# Altium PCB LimeSDR-Micro_1v0.PcbDoc (part 4 of 8)
Units mm, origin at the board's own origin, x right, y up, seen from the top; angles counter-clockwise.
Board outline 50.8 x 29.7 mm, 8 copper layers (Top, L2, L3, L4, L5, L6, L7, Bottom), stack 0.925 mm thick; 648 components, 374 nets, 2297 pads, 812 vias.
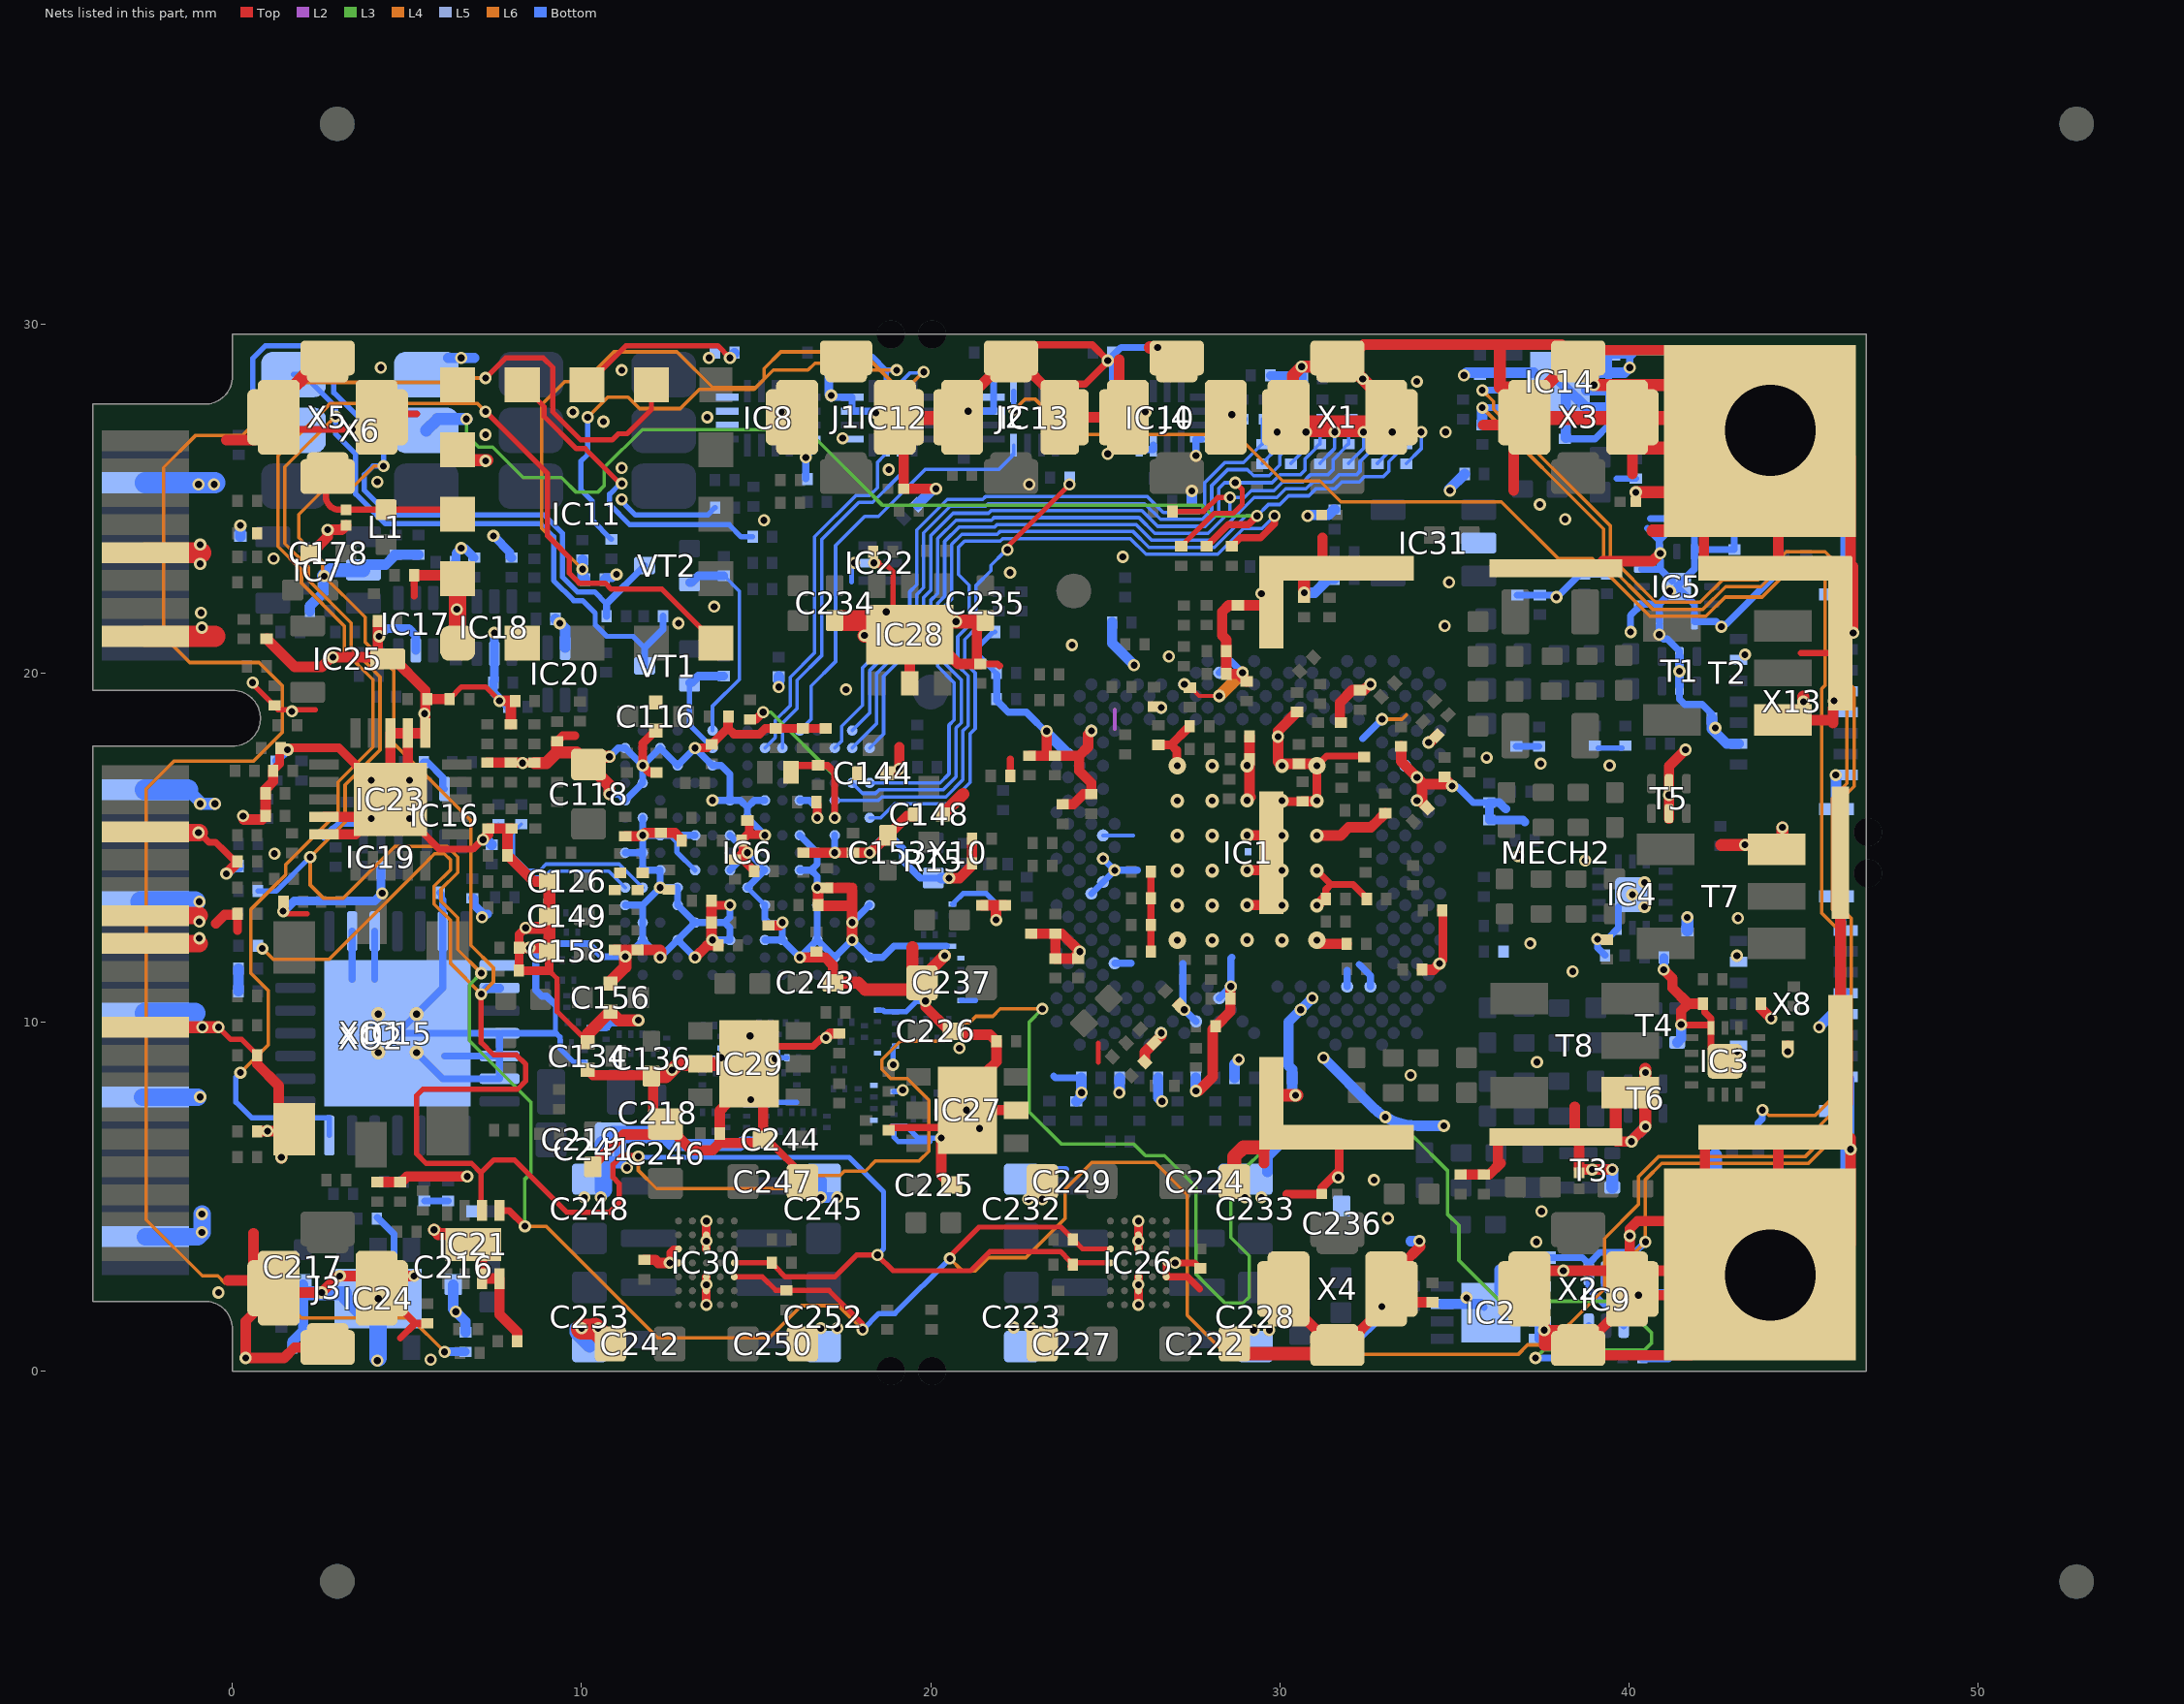
[diagram p10: the nets of this part, all layers, seen from the top]

## Via types
v1: diameter 0.35, hole 0.2, Top to Bottom, tented both sides, 670 vias
v2: diameter 0.35, hole 0.2, L5 to Bottom, tented both sides, 104 vias
v3: diameter 0.4, hole 0.2, Top to Bottom, tented both sides, 30 vias
v4: diameter 0.5, hole 0.2, Top to Bottom, tented both sides, 8 vias

## Nets (pads, with @x,y where several pads share a name; then routed paths per layer and width w, separated by ;. In a path a pad name is that pad's centre, name@x,y a point inside that pad or via, vN(x,y) a via of type N, cw(c..) or ccw(c..) an arc to the next point about the centre after c; other vN are vias at no path point) (continued)
GND: C1.1 C3.2 C4.1 C6.2 C7.1 C9.2 C11.1 C14.2 C16.1 C19.2 C21.1 C24.2 C26.1 C28.2 C29.1 C30.1 C31.2 C32.2 C33.1 C34.1 C35.2 C36.2 C37.2 C38.2 C42.2 C43.2 C45.2 C46.2 C47.2 C48.2 C49.2 C50.2 C51.2 C52.2 C53.2 C54.2 C55.2 C56.2 C57.1 C58.2 C59.2 C60.2 C61.2 C62.2 C63.2 C64.2 C65.2 C66.2 C67.2 C68.2 C69.2 C70.2 C71.1 C72.2 C73.2 C74.2 C75.2 C76.2 C77.2 C78.1 C79.2 C80.1 C81.1 C82.2 C83.2 C84.2 C85.2 C86.2 C87.2 C88.2 C89.2 C90.2 C91.2 C92.2 C93.2 C94.2 C95.2 C96.2 C97.2 C98.2 C99.2 C100.2 C101.2 C102.2 C103.2 C104.2 C105.2 C106.2 C107.2 C108.2 C109.2 C110.2 C111.2 C116.2 C118.1 C119.1 C120.1 C121.1 C122.1 C123.2 C126.1 C127.2 C128.2 C129.1 C130.1 C132.1 C133.2 C134.2 C135.1 C136.1 C137.1 C138.2 C139.1 C140.1 C141.1 C142.1 C143.1 C144.2 C145.1 C146.1 C147.1 C148.2 C149.1 C150.2 C151.2 C152.1 C153.1 C154.1 C155.1 C156.2 C157.1 C158.1 C159.1 C160.1 C161.1 C162.1 C163.1 C164.2 C165.1 C166.2 C167.2 C168.2 C169.2 C170.2 C171.2 C172.1 C173.2 C174.1 C175.2 C176.2 C177.1 C178.1 C179.2 C180.2 C181.2 C182.2 C183.1 C184.2 C185.1 C186.2 C187.2 C188.2 C189.1 C190.2 C191.1 C192.1 C194.2 C195.2 C196.2 C197.1 C198.1 C199.1 C200.1 C201.2 C204.1 C205.1 C206.2 C207.2 C208.1 C211.1 C212.1 C214.1 C215.2 C216.1 C217.1 C218.1 C219.1 C220.2 C221.1 C222.1 C223.1 C224.1 C225.1 C226.1 C227.1 C228.1 C229.1 C230.1 C231.2 C232.1 C233.1 C234.1 C235.1 C236.1 C237.1 C238.2 C239.2 C240.1 C241.1 C242.1 C243.1 C244.1 C245.1 C246.1 C247.1 C248.1 C249.1 C250.1 C251.2 C252.1 C253.1 C254.2 C255.2 ESD1.2 ESD2.2 ESD3.2 ESD4.2 ESD5.2 ESD6.2 IC1.AA31 IC1.AF32 IC1.AG29 IC1.AJ7 IC1.AJ9 IC1.AJ19 IC1.AK12 IC1.AK20 IC1.AL13 IC1.AL23 IC1.AM22 IC1.AN25 IC1.B18 IC1.B20 IC1.C7 IC1.C23 IC1.D20 IC1.E25 IC1.F6 IC1.G31 IC1.GND IC1.H2 IC1.J33 IC1.K4 IC1.L3 IC1.N3 IC1.T30 IC1.V30 IC1.W29 IC1.Y30 IC2.1 IC2.2 IC2.3 IC2.4 IC2.7 IC2.PAD IC3.7 IC3.EP IC4.7 IC4.EP IC5.1 IC5.3 IC5.4 IC5.6 IC5.10 IC5.12 IC5.EP IC6.B1 IC6.B3 IC6.B5 IC6.B11 IC6.B13 IC6.B15 IC6.C2 IC6.C4 IC6.C6 IC6.C7 IC6.C9 IC6.C10 IC6.C12 IC6.C14 IC6.D2 IC6.D5 IC6.D6 IC6.D10 IC6.D14 IC6.E1 IC6.E4 IC6.E7 IC6.E9 IC6.E12 IC6.E15 IC6.F3 IC6.F4 IC6.F8 IC6.F12 IC6.G2 IC6.G3 IC6.G5 IC6.G7 IC6.G9 IC6.G11 IC6.H1 IC6.H2 IC6.H8 IC6.H12 IC6.H13 IC6.H14 IC6.H15 IC6.J2 IC6.J3 IC6.J5 IC6.J7 IC6.J9 IC6.J11 IC6.J13 IC6.K2 IC6.K8 IC6.K12 IC6.L1 IC6.L6 IC6.L7 IC6.L9 IC6.L11 IC6.M2 IC6.N2 IC6.N4 IC6.N6 IC6.P1 IC6.P3 IC6.P5 IC7.2 IC8.6 IC8.7 IC8.8 IC8.16 IC9.2 IC10.3 IC10.4 IC10.7 IC10.8 IC10.16 IC11.1 IC11.2 IC11.4 IC11.5 IC11.16 IC12.5 IC12.7 IC12.8 IC13.7 IC13.8 IC14.1 IC14.2 IC14.3 IC14.4 IC14.7 IC14.PAD IC15.2 IC15.3 IC15.6 IC15.11 IC15.12 IC15.13 IC15.PAD IC16.2 IC17.2 IC18.2 IC19.2 IC20.2 IC21.3 IC21.4 IC21.PAD IC22.2 IC23.1 IC23.2 IC23.3 IC23.9 IC23.10 IC23.21 IC24.2 IC24.PAD IC25.3 IC26.A3 IC26.B3 IC26.C1 IC26.C3 IC26.D1 IC26.E3 IC26.F3 IC26.G3 IC27.2 IC27.PAD IC28.2 IC28.PAD IC29.2 IC29.PAD IC30.A3 IC30.B3 IC30.C1 IC30.C3 IC30.D1 IC30.E3 IC30.F3 IC30.G3 IC31.2 J1.2 J2.2 J3.2 J4.2 MECH2.1 R3.1 R15.1 R17.1 R25.1 R29.2 R32.1 R35.2 R38.2 R40.1 R45.2 R47.1 R52.2 R56.1 R62.2 R63.2 R64.2 R74.1 R81.2 R84.1 R98.2 R99.2 R100.2 R101.2 R102.2 R103.2 R104.2 R105.2 R106.2 R120.2 R121.2 R122.2 R123.2 R124.2 R125.2 R126.2 R127.2 R132.2 R135.1 R138.2 R143.1 R144.2 R146.1 R160.1 R164.2 R168.2 R169.2 R175.2 R179.1 R180.2 R181.2 R182.2 R192.2 R193.2 R196.2 R203.2 R208.2 R213.2 T1.2 T1.5 T2.3 T3.1 T4.1 T5.2 T5.5 T6.2 T6.5 T7.1 T8.3 X1.2 X2.2 X3.2 X4.2 X5.2 X6.6 X8.1 X8.4 X8.7 X8.9 X8.12 X8.15 X8.MP1 X8.MP2 X10.0 X10.4 X10.9 X10.15 X10.18 X10.21 X10.26 X10.27 X10.29 X10.34 X10.35 X10.40 X10.50 X13.1 X13.4 X13.7 X13.9 X13.12 X13.15 X13.MP1 X13.MP2 XO1.2 XO2.2 | length 639.5
  Top w0.11: C101.2@27.425,19.58 27.45,19.58 27.686,19.344 28.264,19.344 v1(28.267,19.341)
  Top w0.14: 24.8,8.841 24.8,9.4
  Top w0.15: v1(-0.4,9.85) -0.05,9.5 0.267,9.5 0.617,9.15 0.629,9.15 0.704,9.075 R143.1@0.704,9.05 ; v1(0.575,19.725) 0.575,19.683 1.308,18.95 2.375,18.95 ; v1(1.45,13.175) 1.525,13.1 2.135,13.1 ; C212.1@6.22,19.2 C212.1@6.22,19.212 ; C212.1@6.22,19.25 6.22,19.262 6.558,19.6 7.002,19.6 7.25,19.6 v1(7.65,19.2) ; 9.07,11.47 9.3,11.24 9.3,10.3 C134.2@10.175,9.425 ; v1@18.5,23.175 v1@18.525,23.15 ; v1@18.525,23.075 18.75,23.075 18.925,22.9 IC28.PAD@18.925,21.75
  Top w0.18: 44.925,20.575 MECH2.1@46.25,20.575
  Top w0.2: v1@-0.95,15.425 -0.675,15.15 -0.48,15.15 -0.205,14.875 0.107,14.562 R179.1@0.122,14.547 ; X5.2@0.975,26.975 1.325,26.975 v1(3.425,26.975) X5.2@4.15,26.975 ; J3.2@4.65,1.95 5.23,1.37 ; 4.806,0.946 5.23,1.37 ; X5.2@4.925,27.425 5.274,27.425 ; 5.205,22.2 C167.2@5.205,22.8 ; IC23.21@5.375,15.5 5.925,14.95 6.887,14.95 7.162,15.225 v1(7.175,15.225) ; C196.2@5.448,1.37 5.23,1.37 ; v1@12.509,3.1 v1(12.525,3.1) ; IC30.D1@12.775,3.1 v1(12.525,3.1) ; IC30.C1@12.775,3.5 12.625,3.5 12.525,3.4 v1(12.525,3.1) ; IC29.PAD@15.2,9.275 15.225,9.3 16.633,9.3 16.854,9.521 16.971,9.521 v1(17,9.55) ; C244.1@15.3,6.66 C247.1@16.468,5.493 ; R196.2@18.8,6.905 18.87,6.975 IC27.PAD@20.575,6.975 ; C240.1@21.42,20.26 21.915,20.26 21.974,20.201 ; R25.1@22.28,17.05 22.28,17.529 ; J2.2@22.9,29.4 24.63,29.4 v1@25.078,28.953 ; J2.2@24.025,28.275 24.425,28.275 v1@25.075,28.925 ; C62.2@26.307,12.015 C61.2@26.307,12.785 C64.2@26.307,13.54 C63.2@26.307,14.31 ; 27.702,2.356 27.358,2.7 IC26.C1@26.75,2.7 IC26.D1@26.75,3.1 v1(27,3.1) 27.565,3.1 C231.2@27.725,2.94 ; v3(31.065,14.34) 31.465,13.94 ; v4@31.122,17.397 31.345,17.62 32.397,17.62 C80.1@32.422,17.595 ; C78.1@31.32,13.525 31.32,13.795 31.465,13.94 ; C86.2@32.49,13.525 32.49,13.55 32.44,13.6 32.1,13.94 31.465,13.94 ; v1@41.5,9.914 IC3.7@42.35,9.914 ; C46.2@42.12,10.525 42.17,10.475 42.17,10.28 42.35,10.1 IC3.7@42.35,9.914 ; IC3.EP@42.35,9.225 IC3.7@42.35,9.827 IC3.7@42.35,9.914
  Top w0.25: 0.145,12.615 C204.1@0.145,13.075 ; C199.1@1.165,17.2 1.165,17.225 1.19,17.25 1.204,17.25 1.35,17.396 1.35,17.672 1.355,17.677 1.355,17.825 R169.2@1.38,17.85 3.05,17.85 v4(3.975,16.925) IC23.21@4.525,16.375 ; C206.2@7.975,17.42 v1(8.31,17.42) C208.1@8.645,17.42 ; C187.2@8.205,11.47 9.07,11.47 C158.1@9.07,12.025 ; C187.2@8.205,11.475 C186.2@8.205,12.125 ; C186.2@8.215,12.125 8.215,12.515 v1(8.4,12.7) ; C158.1@8.975,12.125 C158.1@9.075,12.025 ; 9.075,12.7 C149.1@9.075,13.025 ; C238.2@9.3,18.045 9.46,18.205 9.804,18.205 ; C156.2@10.825,11.1 C156.2@10.825,11.15 ; C116.2@12.125,18.35 11.75,17.975 v1(11.751,17.35) v1(11.751,17.35) 11.956,17.145 C122.1@12.15,17.145 ; v1(13.251,17.85) 13.595,17.85 13.7,17.955 C121.1@13.725,17.955 13.75,17.955 13.775,17.98 13.775,18.005 14.185,18.415 14.185,18.73 C120.1@14.205,18.75 ; v1(13.575,1.9) IC30.F3@13.575,2.3 IC30.E3@13.575,2.7 ; IC30.C3@13.575,3.5 v1(13.575,3.725) IC30.B3@13.575,3.9 v1(13.575,4.3) ; C143.1@13.72,13.345 13.745,13.37 13.75,13.37 13.77,13.35 v1(14.251,13.35) ; C120.1@14.23,18.8 14.205,18.775 C120.1@14.205,18.75 ; C139.1@14.58,15.2 14.749,15.369 14.8,15.369 ; C139.1@14.605,15.175 14.605,15.023 14.671,14.957 14.626,14.912 14.626,14.856 v1@14.62,14.85 ; C130.1@14.75,15.77 14.775,15.77 14.8,15.745 14.8,15.369 ; v1(14.751,14.85) 14.62,14.719 ; C142.1@14.945,14.325 14.62,14.65 14.62,14.719 ; v1@15.278,15.35 v1(15.251,15.35) 15.232,15.369 14.8,15.369 ; v1(16.751,15.85) C129.1@16.751,16.226 ; C145.1@16.988,18.41 C146.1@16.338,18.41 C147.1@15.563,18.41 15.26,18.41 15.1,18.25 14.365,18.25 14.205,18.41 C120.1@14.205,18.75 ; v1(25.95,1.9) IC26.B3@25.95,2.3 v1(25.95,2.475) IC26.C3@25.95,2.7 ; IC26.E3@25.95,3.5 v1(25.95,3.725) IC26.F3@25.95,3.9 v1(25.95,4.3) ; C54.2@26.524,17.941 26.886,17.941 ; v4(27.065,17.34) 27.045,17.36 27.045,17.781 26.886,17.941 ; C71.1@27.42,18.475 27.42,18.45 27.395,18.425 27.37,18.425 26.886,17.941 ; MECH2.1@30.065,16.32 R35.2@30.65,16.32 ; 30.2,5.075 ESD3.2@31.2,5.075 31.2,5.248 31.7,5.748 31.7,6.634 MECH2.1@31.634,6.7 ; v3(31.065,16.34) v4(31.065,17.34) ; v1(34.575,11.675) 34.675,11.775 34.675,13.155 C106.2@34.63,13.2 ; 14.62,14.719 v1@14.62,14.85 ; 14.62,14.719 14.531,14.63 14.425,14.63 C162.1@14.4,14.655 14.425,14.655 v1@14.62,14.85
  Top w0.3: -0.475,12.825 -0.225,13.075 C204.1@0.145,13.075 ; v1(-0.175,14.25) R179.1@0.122,14.547 ; -0.175,26.675 X5.2@0.625,26.675 ; -0.125,2.6 J3.2@0.975,2.6 ; v1@0.325,15.8 0.845,15.8 0.92,15.875 0.945,15.875 C200.1@0.945,15.9 C198.1@0.945,16.55 0.945,16.669 1.165,16.889 C199.1@1.165,17.2 ; J3.2@0.6,2.85 0.6,3.95 ; R146.1@0.705,6.875 v1(1,6.875) XO1.2@1.37,6.875 ; R143.1@0.704,9.05 0.704,8.796 1.325,8.175 XO1.2@1.325,7.35 ; C220.2@0.975,20.977 1,20.977 1,20.952 1.777,20.175 2.557,20.175 2.832,20.45 v1(2.875,20.45) IC25.3@4.16,20.45 ; v1@1.465,13.175 C215.2@1.465,13.45 ; C178.1@2.25,23.425 2.725,23.9 v1(2.725,24.1) 3.125,24.1 ESD5.2@3.25,24.225 ; IC23.10@2.625,15.375 3.525,15.375 v4(3.975,15.825) ; IC23.9@2.625,15.875 IC23.21@3.975,15.875 ; J3.2@2.725,0.675 1.775,0.675 1.475,0.375 v1(0.375,0.375) 0.375,1.425 J3.2@1.325,2.375 1.45,2.25 v1(2.55,2.25) 3.025,2.725 v1(3.075,2.725) J3.2@4.225,2.725 ; C195.2@4.15,5.415 4.78,5.415 R164.2@4.805,5.415 4.841,5.415 5.001,5.575 v1(6.725,5.575) ; IC25.3@4.16,20.41 IC25.3@4.16,20.45 ; C177.1@4.16,21.485 IC25.3@4.16,20.45 ; v1(4.175,2.075) 4.125,2.075 J3.2@4.425,2.375 ; IC23.21@4.525,16.925 IC23.3@4.525,18.275 IC23.2@5.025,18.275 ; J3.2@4.83,2.725 v1(5.2,2.725) ; IC23.21@5.025,16.925 IC23.2@5.025,18.275 ; C167.2@5.205,22.8 6.223,22.8 IC11.2@6.323,22.7 ; C211.1@5.58,19.2 C211.1@5.525,19.145 ; C211.1@5.58,19.25 C212.1@6.22,19.25 ; IC21.PAD@6.425,3.825 6.625,3.825 7.15,3.3 IC21.3@7.15,2.7 ; IC11.1@6.45,20.85 IC11.1@6.55,20.75 ; IC21.3@7.15,2.65 IC21.4@7.65,2.65 7.65,1.625 8.155,1.12 R160.1@8.155,0.85 ; v1(7.175,15.225) 7.325,15.375 C205.1@7.325,15.545 7.35,15.545 C201.2@8,15.545 7.88,15.425 R182.2@7.88,14.775 7.88,14.75 7.906,14.75 8.631,14.025 C126.1@9.075,14.025 ; R180.2@7.3,17.43 v1@8.31,17.43 ; v1(7.65,19.2) 7.975,19.2 C214.1@7.975,18.53 ; C186.2@8.205,12.125 C186.2@8.21,12.125 8.215,12.125 C158.1@8.975,12.125 ; C134.2@10.175,8.625 10.325,8.475 11.975,8.475 C136.1@12,8.45 12.05,8.4 12.05,7.375 12.35,7.075 C246.1@12.4,7.075 12.45,7.075 12.75,6.775 12.75,6.725 13.15,6.325 13.75,6.325 13.96,6.535 ; C241.1@10.325,5.85 10.325,5.9 11.2,6.775 C246.1@12.225,6.775 ; C159.1@10.95,12.07 C157.1@11.6,12.07 12.25,12.07 ; C119.1@11.25,15.32 11.721,15.32 v1(11.751,15.35) 11.821,15.42 C123.2@12.275,15.42 12.675,15.42 C141.1@12.87,15.225 ; C251.2@11.8,3.185 12.115,3.185 12.2,3.1 v1@12.509,3.1 ; v1(13.251,11.85) 13.601,12.2 C137.1@13.92,12.2 ; v1@13.72,12.294 R98.2@13.72,12.775 ; R98.2@13.72,12.85 C143.1@13.72,13.345 ; IC29.PAD@14.175,7.75 14.175,7.671 13.96,7.456 C249.1@13.96,6.805 13.96,6.535 ; 14.874,6.535 13.96,6.535 ; 14.875,6.535 15.1,6.535 C244.1@15.2,6.635 IC29.PAD@15.2,8.025 ; C151.2@15.35,12.77 15.671,12.77 v1(15.751,12.85) ; v1@16.251,11.825 v1(16.251,11.85) 16.975,11.85 17.2,11.625 C243.1@17.2,11.125 ; C155.1@16.35,14.85 v1(17.251,14.85) C140.1@17.775,14.85 v1(18.251,14.85) 18.275,14.85 18.625,15.2 18.675,15.2 18.775,15.3 C153.1@18.775,15.35 18.775,15.4 18.875,15.5 18.925,15.5 19.325,15.9 19.5,15.9 C148.2@19.55,15.95 ; C150.2@16.775,13.33 v1@16.775,13.845 ; C150.2@16.875,13.33 17.751,13.33 ; v1(17,9.55) 17.12,9.67 R208.2@17.375,9.67 ; C152.1@17.025,13.845 17.725,13.845 ; v1(17.751,12.35) 17.751,12.6 v1(17.751,12.85) 17.751,13.33 ; 17.751,13.845 17.751,13.33 ; C144.2@18.75,17.125 18.975,17.125 v1(19.1,17.25) 19.1,17.875 ; ESD6.2@19.225,25.275 v1(20.15,25.275) v1@20.175,25.275 ; ESD6.2@19.225,25.3 J1.2@19.225,26.825 ; IC28.2@19.4,19.7 19.4,21.075 IC28.PAD@19.4,21.1 ; v1(19.85,10.6) 19.85,10.436 C226.1@20.496,9.79 ; IC28.PAD@20.1,20.625 20.425,20.625 20.79,20.26 C240.1@21.42,20.26 21.325,20.355 21.325,21.235 C235.1@21.565,21.475 ; v1(20.3,6.675) 20.3,5.625 C225.1@20.6,5.325 ; v1@20.575,14.125 20.825,14.125 21.186,14.486 C95.2@21.186,14.541 C94.2@21.186,15.258 ; C226.1@20.646,9.636 21.699,9.636 21.865,9.47 21.89,9.47 C230.1@21.89,9.445 21.89,8.865 IC27.PAD@21.575,8.55 ; J2.2@21.3,28.1 J2.2@21.972,28.772 ; IC27.PAD@21.397,7.475 IC27.2@22.45,7.475 ; C97.2@21.475,13.34 C96.2@22.13,13.34 ; v1(21.875,12.925) 21.875,13.262 ; J2.2@22.678,28.797 J2.2@23.35,28.125 ; C59.2@22.83,17.629 C60.2@23.4,17.629 ; C91.2@22.875,12.531 C90.2@23.575,12.531 23.756,12.531 v1(24.271,12.015) 24.073,11.817 C98.2@23.575,11.817 C90.2@23.575,12.521 ; v1(23.325,18.337) 23.325,17.704 C60.2@23.4,17.629 ; C53.2@23.785,16.238 24.088,16.238 24.38,16.53 C52.2@24.6,16.53 24.6,16.85 24.254,17.196 24.254,17.629 ; J2.2@24,27.325 J4.2@25.35,27.325 J4.2@25.65,27.325 ; v1(24.604,18.342) 24.604,18.329 24.512,18.237 24.512,17.887 24.254,17.629 ; J4.2@25.4,28.025 25.4,28.975 ; C110.2@26.135,8.86 26.135,9.14 C108.2@26.398,9.402 26.602,9.606 v1(26.602,9.684) ; C72.2@27.123,10.495 v1(27.268,10.35) ; v1@27.675,8.025 28.075,8.425 28.075,9.789 C104.2@28.161,9.875 28.161,9.9 28.186,9.9 28.586,10.3 C58.2@28.586,10.675 v1@28.586,10.988 ; C103.2@29.05,19.755 28.83,19.975 C83.2@28.469,19.975 C84.2@28.469,20.625 28.469,20.956 28.35,21.075 28.35,21.75 28.535,21.935 C55.2@28.8,21.935 MECH2.1@29.759,21.935 ; v3(29.065,13.35) MECH2.1@29.49,13.35 ; v3(29.065,14.35) MECH2.1@29.49,14.35 ; v3(29.065,15.35) MECH2.1@29.49,15.35 ; v3(29.065,16.35) v3@29.16,16.446 ; v3@29.135,16.446 C70.2@29.135,17.528 C69.2@29.135,18.18 ; 29.55,5.952 29.55,6.35 ; X1.2@29.95,26.725 X1.2@30.55,26.725 ; v3(30.065,17.34) 29.95,17.455 v1(29.95,18.175) 29.95,18.336 C102.2@30.495,18.881 ; v3@30.065,17.395 C111.2@30.55,17.395 v4@31.065,17.395 ; X1.2@30.123,27.325 X1.2@30.377,27.325 ; X1.2@30.377,27.225 X1.2@33.177,27.225 ; R35.2@30.65,16.32 v3@31.065,16.32 ; X4.2@30.75,1.475 X4.2@31.245,0.98 ; v4(31.065,12.34) 31.165,12.24 C85.2@31.917,12.24 ; v3(31.065,13.34) 31.25,13.525 C78.1@31.32,13.525 ; v3(31.065,15.34) 31.74,15.34 31.975,15.575 32.612,15.575 32.677,15.64 32.681,15.64 C57.1@33.024,15.983 ; MECH2.1@31.225,23.062 31.225,23.875 ; C109.2@31.725,18.58 31.725,19.15 32.08,19.505 C67.2@32.3,19.505 32.414,19.505 32.583,19.674 v1(32.597,19.674) ; X1.2@31.875,28.875 32.405,29.405 38.07,29.405 X3.2@38.55,28.925 ; X4.2@32.105,0.955 X4.2@32.6,1.45 ; X4.2@32.925,1.97 C28.2@34.375,1.97 ; C65.2@33.475,17.895 33.475,17.464 v1(33.929,17.01) 34.075,16.864 34.075,16.283 C66.2@34.22,16.138 ; X4.2@33.525,3.075 v1@34.02,3.57 ; C77.2@34.08,11.5 34.4,11.5 v1(34.575,11.675) ; 34.2,16.814 34.725,16.814 ; v1@34.298,18.002 C100.2@34.498,18.202 ; C79.2@34.725,16.97 v1(34.937,16.758) ; C38.2@35.302,5.63 C37.2@35.85,5.63 ; 35.825,27.1 X3.2@36.925,27.1 ; C37.2@36,5.63 36.325,5.955 ; 36.25,5.955 MECH2.1@36.25,6.575 ; 36.3,28.2 X3.2@36.845,28.2 ; 36.7,25.225 36.7,26.875 X3.2@36.925,27.1 ; X3.2@37.15,27.325 37.125,27.3 X3.2@36.925,27.1 ; X2.2@37.25,2.875 v1(38.125,2.875) X2.2@40.025,2.875 ; X3.2@37.325,27.1 X3.2@36.925,27.1 ; 37.575,0.727 X2.2@38.275,0.727 ; 37.575,0.777 v1(37.575,1.175) ; X2.2@37.575,1.776 v1(37.575,1.175) ; 37.65,0.777 v1@37.65,1.175 ; X2.2@38.176,1.175 v1@37.65,1.175 ; MECH2.1@38.45,6.825 38.45,7.575 ; MECH2.1@38.575,6.525 38.575,5.775 v1(38.95,5.775) v1(39.525,5.775) ; X2.2@38.725,0.45 X10.0@41.779,0.45 ; X3.2@38.775,29.25 X10.0@44.44,29.25 ; v1(39,28.25) X3.2@39,28.95 ; X2.2@39.075,1.075 X2.2@39.57,1.57 ; MECH2.1@39.25,23.2 40.675,23.2 v1(40.9,23.425) ; X3.2@39.55,26.4 X3.2@40.1,26.4 ; MECH2.1@39.65,6.575 v1@40.05,6.575 ; v1(40.075,6.575) v1@40.05,6.575 ; 40.1,25.7 X3.2@40.1,26.4 ; X3.2@40.1,27.2 X3.2@40.1,26.4 ; X3.2@40.25,27.325 X10.0@45.915,27.325 ; v1(40.475,7) v1@40.05,6.575 ; v1(41,11.5) 41.25,11.25 41.25,10.975 41.7,10.525 ; T5.5@41.15,15.825 T5.5@41.15,15.975 v1(41.15,16.5) T5.2@41.15,16.825 41.15,17.325 v1(41.625,17.8) ; X10.0@41.179,2.875 X2.2@40.025,2.875 ; v1(41.5,9.925) 41.5,10.325 41.7,10.525 ; X10.0@41.65,4.3 40.25,4.3 40.025,4.075 v1(40.025,3.875) X2.2@40.025,2.875 ; C46.2@42.12,10.525 41.7,10.525 ; MECH2.1@42.15,23.275 42.15,24.075 X10.0@42.15,26.329 ; X10.0@42.175,3.421 MECH2.1@42.175,6.475 ; X10.0@43.329,2.175 v1(40.275,2.175) 40.025,2.425 X2.2@40.025,2.875 ; C47.2@43.78,10.525 43.78,10.395 v1(44.075,10.1) ; X10.0@44.284,3.646 MECH2.1@44.284,6.7 ; MECH2.1@44.284,23 X10.0@44.284,26.054 ; v1(44.55,9.15) C50.2@44.55,9.32 ; X10.0@45.215,26.4 X3.2@40.1,26.4 ; 45.275,18.65 45.7,18.65 ; 45.85,18.563 MECH2.1@45.85,18.987 ; MECH2.1@46.059,8.475 MECH2.1@46.059,8.575 MECH2.1@46.059,14.85 ; X10.0@46.35,3.621 v1(46.35,6.35) MECH2.1@46.35,6.675 ; X10.0@46.35,26.179 46.35,23.125 46.425,23.05 v1(46.425,21.15) ; IC25.3@4.16,20.45 4.575,20.45 5.525,19.5 C211.1@5.525,19.145 ; IC23.2@5.025,18.275 IC23.1@5.525,18.275 C211.1@5.525,19.145 ; C60.2@23.4,17.629 C60.2@23.564,17.629 24.254,17.629 ; v1(37.575,1.175) v1@37.65,1.175
  Top w0.35: X10.35@-3.485,9.85 X10.35@-2.5,9.85 v1(-0.865,9.85) v1(-0.4,9.85) ; v1(1.4,6.125) XO1.2@1.4,6.495 ; v1(5.775,4.05) 5.9,3.925 6.325,3.925 IC21.PAD@6.425,3.825 ; IC11.4@6.7,26.1 v1@7.3,26.1 ; v1(8.4,12.7) 9.075,12.7 C158.1@9.075,12.025 ; C208.1@8.645,17.42 8.995,17.42 9.3,17.725 ; C149.1@9.075,13.025 C126.1@9.075,14.025 ; C238.2@9.3,18.02 9.3,17.725 ; C134.2@10.175,9.425 10.175,9.65 C156.2@10.825,10.3 11.075,10.05 v1(11.625,10.05) ; v1(10.8,16.525) 10.8,16.775 C118.1@10.2,17.375 ; v1(10.8,17.6) 10.425,17.6 C118.1@10.2,17.375 ; C156.2@10.825,11.15 11.251,11.576 v1(11.251,11.875) ; v1(12.251,11.85) v1@12.251,12.02 ; C243.1@17.2,11.125 17.925,11.125 18.122,10.928 19.553,10.928 C237.1@19.75,11.125 ; 19.475,12.135 19.475,10.975 v1(20.4,11.9) ; C148.2@20.35,15.95 20.93,16.53 ; J4.2@26.276,29.325 v1(26.5,29.325) ; MECH2.1@29.886,7.802 29.984,7.9 v1(30.45,7.9) v1@30.5,7.9 ; X1.2@30.123,26.925 31.575,26.925 X1.2@33.177,26.925 ; X1.2@30.377,27.325 30.377,28.527 v1(30.625,28.775) X1.2@30.974,28.775 ; C68.2@30.7,22.18 v1(30.7,22.3) MECH2.1@30.7,23.075 ; X1.2@32.128,28.672 v1(32.375,28.425) X1.2@32.622,28.178 ; 36.3,28.175 36.3,28.2 36.3,29.375 ; X3.2@37.625,28.225 X3.2@38.15,28.75 ; v1(39,28.25) X10.0@44.665,28.25 ; MECH2.1@39.625,6.9 T8.3@39.625,7.675 ; v1(40.2,25.175) X10.0@41.7,25.175 ; X3.2@40.425,26.45 X10.0@41.925,26.45 ; v1@40.475,7.05 v1(40.475,8.55) v1@40.475,8.65 ; 40.675,24.075 42.15,24.075 X10.0@42.175,24.075 ; 42.653,15.075 v1(43.325,15.075) 44.098,15.075 T7.1@44.228,14.945 44.4,15.117 v1(44.4,15.575) ; T2.3@45,19.042 v1(45,19.175) v1@45,19.325 ; 9.3,17.725 9.85,17.725 C118.1@10.2,17.375
  Top w0.4: X5.2@1.627,28.077 X5.2@2.175,28.625 ; C136.1@12,8.45 12.414,8.45 v1(12.588,8.625) 12.764,8.8 IC29.2@13.4,8.8 IC29.PAD@14.375,8.8 ; v1(18.1,21.075) 19.4,21.075 IC28.PAD@19.5,21.075 ; J1.2@19.102,27.3 J2.2@20.923,27.3 ; IC28.PAD@20.475,21.475 v1(20.725,21.475) C235.1@21.565,21.475 ; C224.1@28.7,5.425 28.7,6.15 28.959,6.409 MECH2.1@29.534,6.409 ; 29.15,0.5 X4.2@31.2,0.5 ; MECH2.1@29.534,6.434 MECH2.1@29.812,6.712 ; X3.2@37.023,27.3 37.125,27.3 X10.0@42.688,27.3
  Top w0.5: X10.29@-2.5,12.25 v1@-0.95,12.25 ; X10.27@-2.5,13.05 -0.95,13.05 ; X10.21@-2.5,15.425 v1@-0.95,15.425 ; IC11.1@6.45,20.85 IC11.2@6.45,22.7
  Top w0.6: X10.15@-2.5,21.05 -0.5,21.05 ; X10.9@-2.5,23.45 -0.9,23.45 ; v1@10,1.2 v1@10.375,1.2 ; v1@10.375,1.225 C242.1@10.825,0.775 ; C234.1@17.3,21.5 IC28.PAD@18.475,21.5
  L2 w0.11: 25.27,18.395 25.27,18.943
  L4 w0.11: 25.27,18.395 25.27,18.943 ; 27.72,19.341 v1(28.267,19.341)
  L4 w0.35: v1(28.267,19.341) v1(28.933,20.007)
  L5 w0.11: 25.27,18.395 25.27,18.943
  L6 w0.1: v1(32.93,18.675) 33.5,18.675 33.625,18.8
  Bottom w0.1: R127.2@29.5,25.995 29.5,26.013 29.925,26.438 v1(29.925,26.9) ; R122.2@30.325,25.995 30.325,26.013 30.75,26.438 v1(30.75,26.9) ; R123.2@31.15,25.995 31.15,26.013 31.575,26.438 v1(31.575,26.9) ; R121.2@31.975,25.995 31.975,26.013 32.4,26.438 v1(32.4,26.9) ; R124.2@32.8,25.995 32.8,26.013 33.225,26.438 v1(33.225,26.9) ; R120.2@33.625,25.995 34.05,26.42 v1(34.05,26.9)
  Bottom w0.11: IC1.T30@24.937,15.345 25.805,15.345
  Bottom w0.15: 9.25,10.49 9.25,9.7 9.38,9.57 C11.1@9.38,9.405 9.38,9.242 9.762,8.86 R32.1@10.075,8.86 ; v1@10.762,16.563 v1(10.8,16.525) ; v1(11.15,24.975) 11.15,24.921 11.25,24.821 11.25,24.818 11.543,24.525 13.612,24.525 C174.1@13.825,24.737 ; v1(11.251,11.875) IC6.C2@11.738,12.363 ; 12.725,15.2 12.725,14.876 IC6.G5@13.251,14.35 ; C1.1@13.79,8.925 C3.2@14.21,8.925 ; v1@14,8.998 R3.1@14,9.26 ; C16.1@14.725,7.635 R40.1@15.275,7.635 15.308,7.635 15.37,7.698 16.157,7.698 ; IC6.F8@14.751,13.85 IC6.E9@15.251,13.35 ; v1(14.751,14.85) IC6.G9@15.251,14.35 ; C6.2@15.365,8.975 C4.1@15.885,8.975 ; v1@15.625,8.998 R17.1@15.625,9.31 ; 17.735,22.612 17.735,23.03 v1@17.815,23.109 ; R56.1@18.475,10.34 18.635,10.34 18.68,10.295 C26.1@18.988,10.295 19.295,10.295 19.592,10.592 19.842,10.592 v1(19.85,10.6) ; v2(18.925,8.775) 18.925,9.242 18.955,9.273 18.955,9.305 C24.2@18.988,9.305 ; C19.2@18.95,8.005 19.155,8.005 v2(19.2,8.05) ; 19.975,6.575 19.067,6.575 18.95,6.692 C21.1@18.95,7.015 19.3,7.015 19.64,6.675 v1(20.3,6.675) ; R105.2@20.625,13.38 20.657,13.38 20.657,13.409 20.937,13.688 21.587,13.688 21.875,13.4 v1(21.875,12.925) ; R103.2@20.865,10.62 21.28,10.62 ; C7.1@21.845,21.175 21.791,21.175 21.4,20.784 21.4,20.476 21.89,19.986 C93.2@21.89,19.95 ; C35.2@39.127,17.845 C33.1@39.799,17.845